# Altium PCB 主板.PcbDoc (part 1 of 2) (continued)
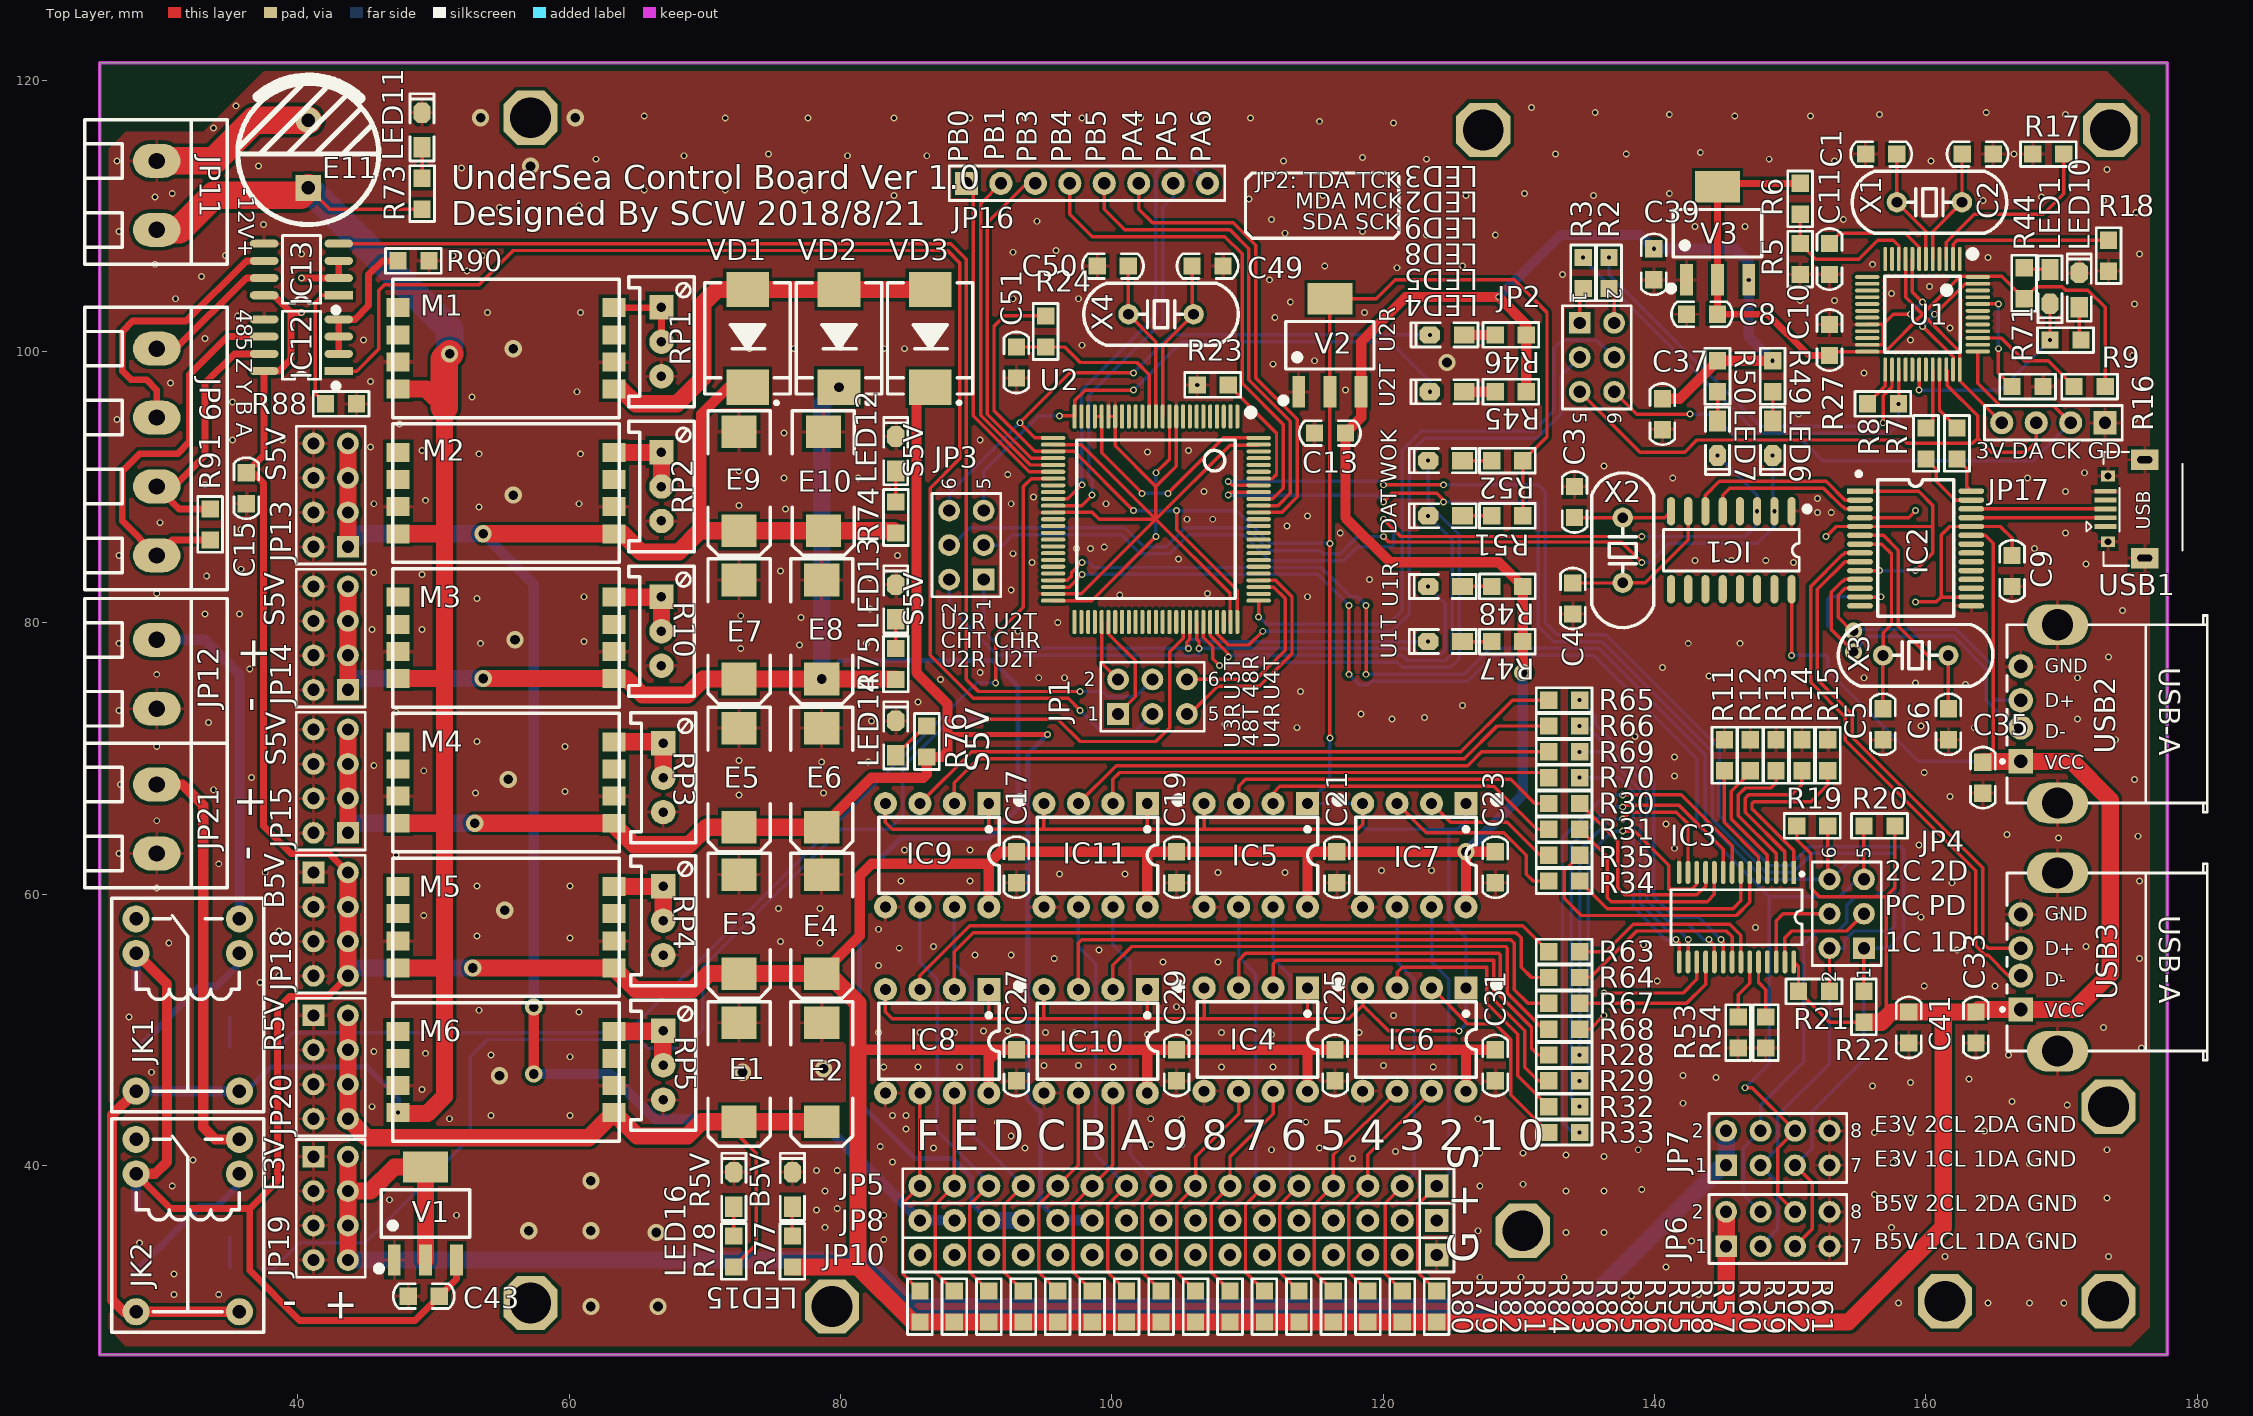
[diagram p0: Top Layer view]
## Footprints (in the part's own frame and the unit in brackets; to place one, negate y for a bottom-side part, rotate by r counter-clockwise, add the part's x,y. Pads: shape width x height; smd on the part's side, far side on the other; paste and mask are expansions set on the pad) (continued)
KF128-5.08-4P [mm] "ÂÝ¶¤Ê"
  oval 2.5x3.5 hole 1.2: 1(0,0) 2(5.08,0) 3(10.16,0) 4(15.24,0)
  silkscreen extent -3.05,-5.31 17.78,5.21, body extent -3.04,-5.3 17.78,5.2, height 14.15
"L 0805" [mil]
  rect 40x55 smd: 1(-45,0) 2(45,0)
  silkscreen extent -75,-35 75,35, body extent -39,-24 39,24, height 35
"LED 0805G" [mil] "绿色08"
  rect 60x50 smd: 1(-50,0)
  oct 60x50 smd: 2(50,0)
  silkscreen extent -90,-35 105,35, body extent -39,-25 39,25, height 32
"LQFP48 7X7_N" [mm] "48脚，体宽7x7"
  oval 0.279x1.8 smd: 1(-2.75,-4.075) 2(-2.25,-4.075) 3(-1.75,-4.075) 4(-1.25,-4.075) 5(-0.75,-4.075) 6(-0.25,-4.075) 7(0.25,-4.075) 8(0.75,-4.075) 9(1.25,-4.075) 10(1.75,-4.075) 11(2.25,-4.075) 12(2.75,-4.075) 25(2.75,4.075) 26(2.25,4.075) 27(1.75,4.075) 28(1.25,4.075) 29(0.75,4.075) 30(0.25,4.075) 31(-0.25,4.075) 32(-0.75,4.075) 33(-1.25,4.075) 34(-1.75,4.075) 35(-2.25,4.075) 36(-2.75,4.075)
  oval 1.8x0.279 smd: 13(4.075,-2.75) 14(4.075,-2.25) 15(4.075,-1.75) 16(4.075,-1.25) 17(4.075,-0.75) 18(4.075,-0.25) 19(4.075,0.25) 20(4.075,0.75) 21(4.075,1.25) 22(4.075,1.75) 23(4.075,2.25) 24(4.075,2.75) 37(-4.075,2.75) 38(-4.075,2.25) 39(-4.075,1.75) 40(-4.075,1.25) 41(-4.075,0.75) 42(-4.075,0.25) 43(-4.075,-0.25) 44(-4.075,-0.75) 45(-4.075,-1.25) 46(-4.075,-1.75) 47(-4.075,-2.25) 48(-4.075,-2.75)
  silkscreen extent -3.93,-4.69 2.79,2.79, body extent -4.5,-4.5 4.5,4.5, height 1.45
"LQFP100 14X14_N" [mm] "100½Å£¬Ìå¿"
  oval 0.3x1.8 smd: 1(-6,-7.575) 2(-5.5,-7.575) 3(-5,-7.575) 4(-4.5,-7.575) 5(-4,-7.575) 6(-3.5,-7.575) 7(-3,-7.575) 8(-2.5,-7.575) 9(-2,-7.575) 10(-1.5,-7.575) 11(-1,-7.575) 12(-0.5,-7.575) 13(0,-7.575) 14(0.5,-7.575) 15(1,-7.575) 16(1.5,-7.575) 17(2,-7.575) 18(2.5,-7.575) 19(3,-7.575) 20(3.5,-7.575) 21(4,-7.575) 22(4.5,-7.575) 23(5,-7.575) 24(5.5,-7.575) 25(6,-7.575) 51(6,7.575) 52(5.5,7.575) 53(5,7.575) 54(4.5,7.575) 55(4,7.575) 56(3.5,7.575) 57(3,7.575) 58(2.5,7.575) 59(2,7.575) 60(1.5,7.575) 61(1,7.575) 62(0.5,7.575) 63(0,7.575) 64(-0.5,7.575) 65(-1,7.575) 66(-1.5,7.575) 67(-2,7.575) 68(-2.5,7.575) 69(-3,7.575) 70(-3.5,7.575) 71(-4,7.575) 72(-4.5,7.575) 73(-5,7.575) 74(-5.5,7.575) 75(-6,7.575)
  oval 1.8x0.3 smd: 26(7.576,-6) 27(7.576,-5.5) 28(7.576,-5) 29(7.576,-4.5) 30(7.576,-4) 31(7.576,-3.5) 32(7.576,-3) 33(7.576,-2.5) 34(7.576,-2) 35(7.576,-1.5) 36(7.576,-1) 37(7.576,-0.5) 38(7.576,0) 39(7.576,0.5) 40(7.576,1) 41(7.576,1.5) 42(7.576,2) 43(7.576,2.5) 44(7.576,3) 45(7.576,3.5) 46(7.576,4) 47(7.576,4.5) 48(7.576,5) 49(7.576,5.5) 50(7.576,6) 76(-7.575,6) 77(-7.575,5.5) 78(-7.575,5) 79(-7.575,4.5) 80(-7.575,4) 81(-7.575,3.5) 82(-7.575,3) 83(-7.575,2.5) 84(-7.575,2) 85(-7.575,1.5) 86(-7.575,1) 87(-7.575,0.5) 88(-7.575,0) 89(-7.575,-0.5) 90(-7.575,-1) 91(-7.575,-1.5) 92(-7.575,-2) 93(-7.575,-2.5) 94(-7.575,-3) 95(-7.575,-3.5) 96(-7.575,-4) 97(-7.575,-4.5) 98(-7.575,-5) 99(-7.575,-5.5) 100(-7.575,-6)
  silkscreen extent -7.23,-8.12 5.84,5.84, body extent -8,-8 8,8, height 1.45
"R 0805" [mil]
  rect 50x50 smd: 1(-45,0) 2(45,0)
  silkscreen extent -81,-36 81,36, body extent -39,-25 39,25, height 20
SMA [mm] "4.5x2."
  rect 2.2x1.75 smd: 1(-2.3,0) 2(2.3,0)
  silkscreen extent -2.7,-1.52 3.56,1.52, body extent -2.53,-1.3 2.57,1.3, height 2.15
SMC [mm] "7.1x5"
  rect 2.6x3.15 smd: 1(-3.6,0) 2(3.6,0)
  silkscreen extent -4.1,-3.15 4.87,3.15, body extent -3.95,-2.9 3.95,2.9, height 2.45
SOP8_M [mm] "5*6*1.8mm"
  rect 2.1x0.6 smd: 1(-2.75,1.905)
  oval 2.1x0.6 smd: 2(-2.75,0.635) 3(-2.75,-0.635) 4(-2.75,-1.905) 5(2.75,-1.905) 6(2.75,-0.635) 7(2.75,0.635) 8(2.75,1.905)
  silkscreen extent -2.69,-2.5 1.4,3.15, body extent -3,-2.5 3,2.5, height 1.9
SOP16_M [mm] "10.3*6.2*1.8m"
  oval 2.1x0.6 smd: 1(-2.875,4.445) 2(-2.875,3.175) 3(-2.875,1.905) 4(-2.875,0.635) 5(-2.875,-0.635) 6(-2.875,-1.905) 7(-2.875,-3.175) 8(-2.875,-4.445) 9(2.875,-4.445) 10(2.875,-3.175) 11(2.875,-1.905) 12(2.875,-0.635) 13(2.875,0.635) 14(2.875,1.905) 15(2.875,3.175) 16(2.875,4.445)
  silkscreen extent -3.2,-5 1.52,5.74, body extent -3,-5 3,5, height 1.9
SOT23-3N [mm] "3x1.3"
  rect 0.5x1.2 smd: 1(-0.95,-1.143) 2(0.95,-1.143) 3(0,1.143)
  silkscreen extent -1.73,-1.78 1.5,0.7, body extent -1.5,-1.2 1.5,1.2, height 1.05
SOT223_M [mm] "6.4x7x1"
  rect 0.95x2.3 smd: 1(-2.3,-3.429) 2(0,-3.429) 3(2.3,-3.429)
  rect 3.3x2.3 smd: 2(0,3.429)
  silkscreen extent -3.63,-4.26 3.25,1.75, body extent -3.25,-3.51 3.25,3.51, height 1.65
SSOP28_M [mm] "10.2*7.8*1.9mm(³¤¿"
  rect 1.9x0.4 smd: 1(-4.1,4.225)
  oval 1.9x0.4 smd: 2(-4.1,3.575) 3(-4.1,2.925) 4(-4.1,2.275) 5(-4.1,1.625) 6(-4.1,0.975) 7(-4.1,0.325) 8(-4.1,-0.325) 9(-4.1,-0.975) 10(-4.1,-1.625) 11(-4.1,-2.275) 12(-4.1,-2.925) 13(-4.1,-3.575) 14(-4.1,-4.225) 15(4.1,-4.225) 16(4.1,-3.575) 17(4.1,-2.925) 18(4.1,-2.275) 19(4.1,-1.625) 20(4.1,-0.975) 21(4.1,-0.325) 22(4.1,0.325) 23(4.1,0.975) 24(4.1,1.625) 25(4.1,2.275) 26(4.1,2.925) 27(4.1,3.575) 28(4.1,4.225)
  silkscreen extent -4.33,-5 2.8,5.63, body extent -3.85,-5.1 3.85,5.1, height 1.65
TSSOP28_M [mm] "9.8*6.4*1mm（长"
  rect 1.7x0.35 smd: 1(-3.3,4.225)
  oval 1.7x0.35 smd: 2(-3.3,3.575) 3(-3.3,2.925) 4(-3.3,2.275) 5(-3.3,1.625) 6(-3.3,0.975) 7(-3.3,0.325) 8(-3.3,-0.325) 9(-3.3,-0.975) 10(-3.3,-1.625) 11(-3.3,-2.275) 12(-3.3,-2.925) 13(-3.3,-3.575) 14(-3.3,-4.225) 15(3.3,-4.225) 16(3.3,-3.575) 17(3.3,-2.925) 18(3.3,-2.275) 19(3.3,-1.625) 20(3.3,-0.975) 21(3.3,-0.325) 22(3.3,0.325) 23(3.3,0.975) 24(3.3,1.625) 25(3.3,2.275) 26(3.3,2.925) 27(3.3,3.575) 28(3.3,4.225)
  silkscreen extent -3.3,-4.83 2.03,4.96, body extent -3.2,-4.9 3.2,4.9, height 1.03
USB-A/S_A [mm]
  rect 1.8x1.8 hole 1: 1(0,-3.5)
  round 1.8 hole 1: 2(0,-1) 3(0,1) 4(0,3.5)
  oval 4.5x3 hole 2.3: 4(2.71,-6.57) 4(2.71,6.57)
  silkscreen extent -1.47,-7.25 13.75,7.25, body extent -0.6,-7.34 13.7,7.34, height 6.8
USB-MICRO_B [mm] "microÐÍUSB £"
  rect 0.35x1.6 smd: 1(-1.3,2.9) 2(-0.65,2.9) 3(0,2.9) 4(0.65,2.9) 5(1.3,2.9)
  rect 1.5x2 hole 0.5 slot 1.1 at 90 deg: 5(-3.625,0) 5(3.625,0)
  rect 0.8x1 hole 0.5: 5(-2.425,2.71) 5(2.425,2.71)
  silkscreen extent -4.19,-2.79 4.19,4.3, body extent -4,-2.71 4,2.89, height 2.8
"XTAL-49S DIP" [mm]
  round 1.5 hole 0.8: 1(-2.4,0) 2(2.4,0)
  silkscreen extent -5.7,-2.28 5.7,2.28, body extent -5.68,-2.35 5.68,2.3, height 3.5

## Part data
C1 C2 C3 C4 C5 C6 C7 C8 C9 C10 C11 C12 C13 C15 C17 C19 C21 C23 C25 C27 C29 C31 C33 C35 C37 C39 C41 C43 C49 C50 C51: library part C, "无极性贴片电容"
E1 E2 E3 E4 E5 E6 E7 E8 E9 E10: library part C-CD, "贴片钽电容"
E11: library part C-CS, "直插固态电容"
IC1: library part CH, "串口转USB"
IC2: library part GL850G, "4 Port USB HUB"
IC4 IC5 IC6 IC7 IC8 IC9 IC10 IC11: "高速光电耦合器 10Mbit/s"
IC12 IC13: "485通信芯片"
JK1 JK2: library part HK4100F, "单路双控继电器"
JP1 JP2 JP3 JP4: library part Heade, "3*2P接插件"
JP5 JP8 JP10: library part "Header 16", "16P接插件"
JP6 JP7 JP13 JP14 JP15 JP18 JP19 JP20: "4*2P接插件"
JP9 JP17: library part "Header 4", "4P接插件"
JP11 JP12 JP21: library part "Header 2", "2P接插件"
JP16: library part "Header 8", "8P接插件"
L1: library part L, "小功率贴片电感"
LED1 LED2 LED3 LED4 LED5 LED6 LED7 LED8 LED9 LED10 LED11 LED12 LED13 LED14 LED15 LED16: library part LED-SMD, "贴片LED"
M1 M2 M3 M4 M5 M6: "DC-DC POWER CONVERTOR 12V-TO-5"
Q1 Q2: library part 8050-SMD, "高频放大-NPN型"
R1 R2 R3 R4 R5 R6 R7 R8 R9 R11 R12 R13 R14 R15 R16 R17 R18 R19 R20 R21 R22 R23 R24 R27 R28 R29 R30 R31 R32 R33 R34 R35 R44 R45 R46 R47 R48 R49 R50 R51 R52 R53 R54 R55 R56 R57 R58 R59 R60 R61 R62 R63 R64 R65 R66 R67 R68 R69 R70 R71 R72 R73 R74 R75 R76 R77 R78 R79 R80 R81 R82 R83 R84 R85 R86 R87 R88 R89 R90 R91: library part R, "贴片电阻"
R10 RP1 RP2 RP3 RP4 RP5: library part RP-ID, "插件单联电位器"
U1: library part STM32, "Flaah:64/RAM:20/IO:36"
U2: "32位STM单片机100引脚"
USB1: "微型USB母座"
USB2 USB3: library part USB-A/S, "USB-A型母接口"
V1 V2 V3: library part AMS1117, "三端稳压芯片"
VD1 VD2 VD3: "肖特基二极管"
VD4 VD5: "整流二极管"
X1 X2 X3 X4: library part XTAL-2

## Free pads (board coordinates)
  oct 4x4 hole 3: 0(79.375,29.591) 1(57.15,117.221) 2(130.302,35.179) 3(127.381,116.332) 4(173.609,116.332) 5(173.482,29.972) 6(173.482,44.323) 7(161.417,29.972) 8(57.15,29.845)

## Via types
v1: diameter 0.508, hole 0.3, Top Layer to Bottom Layer, 546 vias
v2: diameter 1.27, hole 0.711, Top Layer to Bottom Layer, 31 vias

## Nets (pads, with @x,y where several pads share a name; then routed paths per layer and width w, separated by ;. In a path a pad name is that pad's centre, name@x,y a point inside that pad or via, vN(x,y) a via of type N, cw(c..) or ccw(c..) an arc to the next point about the centre after c; other vN are vias at no path point)
5V: 
485_A: IC12.6 JP9.4 R91.1 | length 29.1
  Top Layer w0.508: R91.1@33.528,86.106 30.734,86.106 JP9.4@29.591,84.963 27.051,87.503 27.051,91.186 28.321,92.456 31.115,92.456 32.004,93.345 32.004,98.298 34.798,101.092 IC12.6@37.509,101.092
485_B: IC12.7 JP9.3 R91.2 | length 19.7
  Top Layer w0.508: R91.2@33.528,88.392 31.242,88.392 JP9.3@29.591,90.043 30.861,90.043 33.147,92.329 33.147,97.663 35.306,99.822 IC12.7@37.509,99.822
485_RXD: IC13.4 JP1.4 | length 92.5
  Top Layer w0.254: IC13.4@43.009,107.95 88.138,107.95 89.281,106.807 89.281,75.819 90.17,74.93 v1(97.663,74.93)
  Bottom Layer w0.254: v1(97.663,74.93) 99.314,74.93 99.695,74.549 101.727,74.549 JP1.4@102.997,75.819
485_TXD: IC12.1 JP1.3 | length 101.4
  Top Layer w0.254: IC12.1@43.009,98.552 44.323,98.552 45.974,100.203 45.974,104.521 46.355,104.902 53.34,104.902 55.88,107.442 87.884,107.442 88.773,106.553 88.773,92.075 86.614,89.916 86.614,77.597 89.789,74.422 96.774,74.422 v1(97.663,73.533)
  Bottom Layer w0.254: v1(97.663,73.533) 99.187,72.009 101.727,72.009 JP1.3@102.997,73.279
485_Y: IC13.6 JP9.2 | length 20.7
  Top Layer w0.508: JP9.2@29.591,95.123 29.591,97.155 28.829,97.917 27.686,97.917 27.051,98.552 27.051,101.473 27.813,102.235 31.75,102.235 36.195,106.68 IC13.6@37.509,106.68
485_Z: IC13.7 JP9.1 | length 10.1
  Top Layer w0.508: JP9.1@29.591,100.203 30.988,100.203 36.195,105.41 IC13.7@37.509,105.41
AVDD: C12.2 IC2.1 IC2.5 IC2.10 L1.2 | length 23.4
  Top Layer w0.254: v1(152.654,86.36) 153.39,87.096 IC2.5@155.158,87.096 160.502,87.096 ; IC2.10@155.158,83.846 v1(156.591,83.846) ; IC2.1@155.158,89.696 159.478,89.696 160.528,88.646 160.528,85.142 v1(159.232,83.846)
  Bottom Layer w0.254: v1(156.591,83.846) v1(159.232,83.846)
BACKUP_5V: M1.8 VD1.1 VD2.1 VD3.1 | length 30.5
  Top Layer w1.27: M1.8@63.29,97.223 63.813,97.223 64.897,96.139 67.945,96.139 69.85,98.044 69.85,103.505 70.91,104.565 VD1.1@73.152,104.565 VD2.1@79.883,104.565 VD3.1@86.614,104.565
BOARD_5V: C13.2 C15.2 C17.2 C19.2 C21.2 C23.2 C25.2 C27.2 C29.2 C31.2 C33.2 C35.2 C37.2 C39.2 C41.2 C43.2 E3.1 E4.1 IC1.16 IC2.23 IC3.28 IC4.8 IC5.8 IC6.8 IC7.8 IC8.8 IC9.8 IC10.8 IC11.8 IC12.8 IC13.8 JK1.2 JK2.2 JP6.1 JP6.2 JP18.2 JP18.4 JP18.6 JP18.8 M5.8 R4.1 R19.2 R20.2 R21.2 R22.2 R45.2 R46.2 R47.2 R48.2 R49.2 R50.2 R55.1 R56.1 R57.1 R58.1 R59.1 R60.1 R61.1 R62.1 R77.2 R79.1 R80.1 R81.1 R82.1 R83.1 R84.1 R85.1 R86.1 R89.1 USB2.1 USB3.1 V1.3 V2.3 V3.3 VD4.2 VD5.2 | length 668.8
  Top Layer w0.254: v1(150.114,77.597) IC1.16@150.114,82.469 ; IC3.28@150.275,54.993 150.622,54.646 R21.2@150.622,52.832 152.908,50.546 R22.2@155.448,50.546 ; R19.2@150.495,65.024 150.495,64.008 151.511,62.992 151.511,60.452 152.146,59.817 157.099,59.817 ; 157.099,51.689 157.099,59.817 ; R20.2@157.734,65.024 157.734,60.452 157.099,59.817 ; IC2.23@163.358,86.446 164.379,86.446 164.973,85.852 164.973,70.485 C35.2@164.267,69.779
  Top Layer w0.508: JK2.2@28.067,39.37 30.607,36.83 36.449,36.83 ; IC13.8@37.509,104.14 38.227,104.14 39.497,102.87 ; v1(40.259,102.87) 39.497,102.87 ; JP18.8@43.688,53.975 42.164,52.451 39.37,52.451 38.481,51.562 38.481,38.862 36.449,36.83 ; JP18.2@43.688,61.595 42.291,62.992 39.497,62.992 37.465,65.024 37.465,90.297 36.703,91.059 C15.2@36.195,91.059 37.509,92.373 IC12.8@37.509,98.552 38.608,98.552 39.497,99.441 39.497,102.87 ; V1.3@51.703,33.02 51.703,31.637 C43.2@50.419,30.353 48.641,28.575 40.132,28.575 36.449,32.258 36.449,36.83
  Top Layer w0.762: JK2.2@28.067,39.37 29.464,39.37 30.353,40.259 30.353,53.34 JK1.2@28.067,55.626 ; E4.1@78.613,54.135 81.407,56.929 81.407,61.341 82.296,62.23 90.932,62.23 ; 81.407,48.514 91.694,48.514 ; IC8.8@90.932,45.339 90.932,47.752 ; 90.932,48.387 90.932,47.752 ; IC9.8@90.932,59.055 90.932,62.23 ; IC10.8@102.616,45.339 102.616,48.514 ; IC11.8@102.616,59.055 102.616,63.119 ; IC4.8@114.427,45.466 114.427,48.387 ; IC5.8@114.427,59.055 114.427,62.992 ; IC6.8@126.111,45.466 126.111,48.514 ; IC7.8@126.111,59.055 v2(126.111,63.119) ; C31.2@128.27,48.514 126.111,48.514 ; C23.2@128.27,63.119 v2(126.111,63.119) ; v2(130.302,76.327) R47.2@130.302,78.613 R48.2@130.302,82.677 128.524,84.455 120.523,84.455 117.221,87.757 C13.2@117.221,93.98 118.378,95.137 V2.3@118.378,97.028 118.378,100.725 121.666,104.013 v1(128.524,104.013) 130.556,101.981 R46.2@130.556,101.219 R45.2@130.556,97.028 ; C37.2@140.589,96.52 141.859,96.52 R50.2@144.653,99.314 v1(148.717,99.314) ; 90.932,47.752 91.694,48.514 ; 90.932,62.23 91.821,63.119 C17.2@92.964,63.119 102.616,63.119 ; 91.694,48.514 C27.2@92.964,48.514 102.616,48.514 ; 102.616,48.514 C29.2@104.775,48.514 C25.2@116.459,48.514 126.111,48.514 ; 102.616,63.119 C19.2@104.775,63.119 C21.2@116.586,63.119 v2(126.111,63.119)
  Top Layer w1.27: JP18.8@43.688,53.975 JP18.6@43.688,56.515 JP18.4@43.688,59.055 JP18.2@43.688,61.595 ; v2(52.891,54.551) M5.8@63.29,54.551 64.882,52.959 69.088,52.959 70.264,54.135 E3.1@72.517,54.135 E4.1@78.613,54.135 79.088,54.135 81.28,51.943 81.28,32.512 ; R77.2@76.454,32.512 81.28,32.512 ; 145.288,28.702 JP6.1@145.288,34.036 JP6.2@145.288,36.576 ; R22.2@155.448,50.546 156.718,50.546 157.48,51.308 C41.2@158.75,51.308 161.29,51.308 ; C33.2@163.703,51.308 161.29,51.308 ; C33.2@163.886,51.491 USB3.1@167.005,51.491 170.998,51.491 173.609,54.102 173.609,66.929 170.759,69.779 USB2.1@167.005,69.779 C35.2@164.267,69.779 ; 81.28,32.512 85.344,28.448 R80.1@85.852,28.448 R79.1@88.392,28.448 R82.1@90.932,28.448 R81.1@93.472,28.448 R84.1@96.012,28.448 R83.1@98.552,28.448 R86.1@101.092,28.448 R85.1@103.632,28.448 R56.1@106.172,28.448 R55.1@108.712,28.448 R58.1@111.252,28.448 R57.1@113.792,28.448 R60.1@116.332,28.448 R59.1@118.872,28.448 R62.1@121.412,28.448 R61.1@123.952,28.448 154.305,28.448 161.29,35.433 161.29,51.308
  Bottom Layer w0.254: v1(150.114,77.597) R4.1@152.654,77.597 ; R4.1@152.781,77.47 152.781,76.454 159.456,69.779 USB2.1@167.005,69.779
  Bottom Layer w0.762: VD5.2@28.067,36.844 JK2.2@28.067,39.37 ; VD4.2@28.067,53.1 JK1.2@28.067,55.626 ; v2(126.111,63.119) 130.302,67.31 v2(130.302,76.327) ; v1(128.524,104.013) 133.096,108.585 138.938,108.585 v1(139.954,107.569) 145.923,107.569 146.953,106.539 v1(146.953,105.283) 146.953,101.078 v1(148.717,99.314)
  Bottom Layer w1.27: JP18.8@43.688,53.975 44.264,54.551 v2(52.891,54.551)
CH_RXD: IC1.3 JP3.3 LED7.2 | length 70
  Top Layer w0.254: v1(120.015,87.63) 121.285,86.36 v1(139.065,86.36)
  Bottom Layer w0.254: JP3.3@90.551,85.725 91.948,85.725 92.71,86.487 100.711,86.487 102.108,85.09 104.267,85.09 105.664,86.487 109.728,86.487 111.633,84.582 117.094,84.582 118.11,85.598 120.625,85.598 120.777,85.75 120.777,86.995 120.142,87.63 v1(120.015,87.63) ; v1(139.065,86.36) 146.685,86.36 147.574,87.249 v1(147.574,88.219) 147.574,89.408 v1(144.653,92.329)
CH_TXD: IC1.2 JP3.4 LED6.2 | length 70.8
  Top Layer w0.254: v1(120.015,86.36) 120.421,85.954 137.566,85.954 v1(139.065,84.455)
  Bottom Layer w0.254: JP3.4@88.011,85.725 88.265,85.725 89.535,86.995 100.965,86.995 102.362,85.598 104.013,85.598 105.41,86.995 109.915,86.995 111.592,85.319 115.341,85.319 115.57,85.09 116.84,85.09 118.11,86.36 v1(120.015,86.36) ; v1(139.065,84.455) 139.7,84.455 141.097,85.852 147.574,85.852 148.844,87.122 v1(148.844,88.219) ; v1@148.717,88.346 v1(148.717,92.329)
DATA_LED: LED8.2 U2.71 | length 31
  Top Layer w0.254: U2.71@107.251,80.055 107.251,79.058 108.585,77.724 v1(108.585,77.47)
  Bottom Layer w0.254: v1(108.585,77.47) 108.712,77.597 121.412,77.597 121.793,77.216 124.587,77.216 125.095,77.724 125.095,86.106 v1(123.317,87.884)
DVDD: C9.2 IC2.16 IC2.24 L1.1 | length 15.9
  Top Layer w0.254: v1(159.258,81.534) 160.782,81.534 161.144,81.896 ; IC2.16@163.358,81.896 161.144,81.896 ; C9.2@166.37,84.963 166.37,86.233 165.507,87.096 IC2.24@163.358,87.096 161.772,87.096 161.144,86.468 161.144,81.896
EXT_3V: JP7.1 JP7.2 JP19.2 JP19.4 JP19.6 JP19.8 V1.2 | length 130.7
  Top Layer w1.27: JP19.8@43.688,33.02 JP19.6@43.688,35.56 JP19.4@43.688,38.1 ; JP19.2@43.688,40.64 JP19.4@43.688,38.1 ; V1.2@49.403,33.02 V1.2@49.403,39.878 47.117,39.878 45.339,38.1 JP19.4@43.688,38.1
  Bottom Layer w1.27: JP19.8@43.688,33.02 81.788,33.02 85.217,29.591 134.62,29.591 145.288,40.259 JP7.2@145.288,42.545
GND: C1.1 C2.1 C3.1 C4.1 C5.1 C6.1 C7.1 C8.1 C9.1 C10.1 C11.1 C12.1 C13.1 C15.1 C17.1 C19.1 C21.1 C23.1 C25.1 C27.1 C29.1 C31.1 C33.1 C35.1 C37.1 C39.1 C41.1 C43.1 C49.1 C50.1 C51.1 E1.2 E2.2 E3.2 E4.2 E5.2 E6.2 E7.2 E8.2 E9.2 E10.2 E11.2 IC1.1 IC2.15 IC3.14 IC4.5 IC5.5 IC6.5 IC7.5 IC8.5 IC9.5 IC10.5 IC11.5 IC12.5 IC13.5 JP6.7 JP6.8 JP7.7 JP7.8 JP10.1 JP10.2 JP10.3 JP10.4 JP10.5 JP10.6 JP10.7 JP10.8 JP10.9 JP10.10 JP10.11 JP10.12 JP10.13 JP10.14 JP10.15 JP10.16 JP11.1 JP12.2 JP13.2 JP13.4 JP13.6 JP13.8 JP14.2 JP14.4 JP14.6 JP14.8 JP15.2 JP15.4 JP15.6 JP15.8 JP17.1 JP18.1 JP18.3 JP18.5 JP18.7 JP19.1 JP19.3 JP19.5 JP19.7 JP20.1 JP20.3 JP20.5 JP20.7 JP21.2 LED10.2 LED11.2 LED12.2 LED13.2 LED14.2 LED15.2 LED16.2 M1.2 M1.7 M2.2 M2.7 M3.2 M3.7 M4.2 M4.7 M5.2 M5.7 M6.2 M6.7 Q1.2 Q2.2 R1.1 R5.1 R9.1 R10.3 R11.1 R12.1 R13.1 R14.1 R15.1 R17.2 R18.2 R23.2 R53.2 R54.2 R88.2 R90.1 RP1.3 RP2.3 RP3.3 RP4.3 RP5.3 U1.8 U1.20 U1.23 U1.35 U1.47 U2.10 U2.19 U2.20 U2.27 U2.37 U2.49 U2.74 U2.99 USB1.5 USB2.4 USB3.4 V1.1 V2.1 V3.1 | length 97.6
  Top Layer w0.254: U2.49@95.675,82.13 97.751,82.13 103.251,87.63 ; U2.37@95.675,88.13 98.56,88.13 99.06,87.63 103.251,87.63 ; U2.27@95.675,93.13 97.751,93.13 103.251,87.63 ; U2.20@99.751,95.205 U2.19@100.251,95.205 100.251,93.043 103.251,90.043 ; U2.10@104.751,95.205 104.751,91.543 103.251,90.043 ; U2.74@108.751,80.055 108.712,80.093 108.712,82.169 103.251,87.63 ; U2.99@110.826,93.13 110.787,93.091 108.712,93.091 103.251,87.63 ; U1.23@155.691,100.493 156.754,100.493 156.87,100.609 156.87,101.68 156.857,101.693 156.857,101.993 ; U1.20@155.691,101.993 156.857,101.993 ; v1(158.877,102.743) 157.607,102.743 156.857,101.993 ; U1.8@159.016,106.818 159.016,104.382 v1(159.766,103.632) ; v1(159.766,101.854) 162.016,99.604 U1.35@162.016,98.668 ; v1(160.655,102.743) 162.905,104.993 U1.47@163.841,104.993 ; 103.251,87.63 103.251,90.043
  Top Layer w2.032: JP11.1@29.591,114.046 33.782,114.046 36.79,117.054 E11.2@40.767,117.054
  Bottom Layer w0.254: v1(158.877,102.743) v1(159.766,103.632) v1(160.655,102.743) v1(159.766,101.854) v1(158.877,102.743)
  other v1: 157.988,29.845 164.592,29.845 167.64,29.845 170.18,29.845 138.303,30.353 30.861,30.48 34.163,30.48 143.256,30.48 148.463,30.734 152.781,30.734 127.127,31.75 130.175,31.75 133.35,31.75 30.861,32.004 140.843,32.512 161.417,33.274 173.482,33.274 28.321,34.29 142.748,34.417 83.185,34.544 167.64,34.798 133.477,35.052 136.271,35.052 127,35.179 78.867,35.433 157.48,35.433 51.689,36.322 83.185,36.322 78.232,36.703 79.756,36.83 46.736,37.465 158.877,37.592 164.338,37.592 170.815,37.592 173.355,37.592 156.21,37.846 78.867,38.1 133.477,38.1 136.271,38.1 139.065,38.227 30.734,38.481 127.127,38.481 130.302,38.608 78.232,39.624 79.756,39.624 167.64,40.132 83.82,40.259 157.607,40.259 32.258,40.386 117.729,40.513 136.271,40.64 133.477,40.767 127.127,40.894 130.302,40.894 120.904,41.021 111.76,41.148 138.811,41.148 173.355,41.148 86.868,41.275 93.599,41.275 115.316,41.275 82.931,41.402 102.87,41.529 105.156,41.529 92.583,42.164 156.21,42.418 158.877,42.418 164.338,42.545 84.836,42.672 91.567,43.18 114.3,43.18 51.181,43.434 102.87,43.434 105.156,43.434 127,43.434 54.229,43.688 60.071,43.688 83.82,43.688 84.836,43.688 45.466,44.323 170.434,44.45 142.113,44.577 166.37,44.704 49.149,45.593 156.083,45.847 158.877,46.101 163.195,46.355 144.526,46.482 142.113,46.609 29.21,46.863 83.185,47.244 85.725,47.244 88.773,47.244 100.076,47.244 108.077,47.244 111.887,47.244 123.698,47.244 94.996,47.371 97.536,47.371 120.015,47.371 60.071,48.006 54.229,48.133 166.116,48.133 49.403,48.26 45.593,48.387 175.895,48.641 102.616,49.657 111.76,49.657 82.804,49.784 85.852,49.784 88.392,49.784 95.123,49.784 97.282,49.784 100.076,49.784 105.664,49.784 108.077,49.784 118.237,49.784 90.551,49.911 92.329,49.911 173.101,50.165 27.559,50.927 120.777,51.054 60.706,51.308 53.34,51.435 104.775,51.689 116.586,53.086 159.893,53.213 165.1,53.213 37.211,53.467 140.208,53.594 169.799,53.848 38.608,53.975 82.804,54.737 103.759,54.991 107.823,54.991 95.758,55.245 175.768,55.245 89.916,55.499 92.583,55.499 99.06,55.88 162.306,55.88 84.328,56.007 86.868,56.134 171.831,56.134 139.192,56.261 30.48,56.388 78.486,56.388 75.565,56.515 60.071,56.769 53.213,56.896 38.608,57.277 82.804,57.404 147.447,57.531 159.639,58.293 49.276,58.42 169.799,58.42 75.438,58.928 78.486,58.928 29.591,60.452 53.213,60.579 60.071,60.579 161.925,60.833 84.455,60.96 89.535,60.96 175.768,60.96 96.139,61.468 100.965,61.468 37.592,61.595 107.823,61.595 112.776,61.595 119.888,61.722 123.571,61.722 34.163,62.23 47.244,62.865 26.797,62.992 84.709,63.246 89.535,63.246 141.478,63.373 159.512,63.627 169.799,64.135 175.641,64.262 165.989,64.389 140.843,65.151 29.591,65.405 161.798,67.183 72.517,67.31 53.086,67.437 78.74,67.437 59.69,67.564 33.782,67.691 26.924,68.072 175.387,68.453 36.576,68.58 141.478,68.707 159.893,68.961 49.276,69.088 45.593,69.469 78.613,69.723 82.042,69.723 72.517,69.85 141.478,70.104 29.591,70.866 59.69,70.866 53.213,71.247 173.99,71.374 138.557,71.628 113.665,72.263 163.576,72.263 159.639,72.39 108.331,72.517 33.401,72.644 82.296,72.771 120.65,72.898 171.196,72.898 123.063,73.025 118.364,73.279 47.244,73.406 26.797,73.533 125.857,73.914 85.725,74.168 113.919,74.93 162.941,75.438 159.258,75.565 87.376,75.819 94.615,75.946 96.52,75.946 155.448,75.946 171.196,75.946 144.018,76.073 29.591,76.2 90.297,76.327 36.449,76.581 140.589,76.708 173.482,77.47 72.644,78.105 76.962,78.359 26.797,78.486 53.467,78.486 81.915,78.486 142.494,78.486 146.304,78.486 61.087,78.613 93.091,79.375 45.466,79.502 49.149,79.502 96.012,80.01 77.089,80.391 72.644,80.518 33.147,80.645 35.687,80.645 174.498,80.899 82.169,81.026 53.213,81.788 61.087,81.915 114.427,81.915 100.584,82.042 29.591,82.169 107.061,82.169 92.583,82.423 118.999,83.185 82.169,83.312 33.274,83.439 49.149,83.566 45.593,83.693 75.565,83.82 35.814,83.947 171.831,84.328 94.107,84.455 150.241,84.455 143.002,84.582 145.669,84.582 148.209,84.582 104.902,84.709 26.797,84.963 84.201,84.963 92.71,85.09 97.409,85.471 98.425,85.471 168.021,85.471 99.441,85.598 116.84,86.614 170.307,86.614 35.814,86.868 112.903,87.122 29.845,87.376 105.537,87.63 107.442,87.63 114.427,87.884 152.019,88.138 153.035,88.138 75.946,88.392 53.34,88.519 72.517,88.646 45.593,88.773 60.706,88.773 92.583,88.773 99.568,88.773 49.403,89.027 152.019,89.154 94.234,89.281 106.807,89.662 170.307,89.662 33.147,90.17 75.819,90.678 81.28,90.678 141.351,90.678 167.513,90.678 92.329,90.932 171.704,91.059 72.517,91.186 136.271,91.567 53.34,92.456 60.833,92.456 102.616,92.583 49.149,92.71 105.664,92.71 45.339,92.964 35.179,93.472 38.862,93.472 90.297,93.472 75.819,93.98 47.498,94.655 26.67,94.996 175.387,94.996 150.622,95.377 35.179,96.266 52.832,96.647 60.579,97.028 117.221,97.155 106.299,97.536 30.607,97.663 45.339,97.79 155.448,98.425 111.887,99.06 114.935,99.314 175.26,99.695 73.279,100.203 76.581,100.203 83.185,100.203 84.709,100.203 80.01,100.33 97.79,100.457 44.831,100.838 158.877,100.838 33.147,100.965 161.798,101.727 112.014,102.489 35.56,102.616 53.975,102.87 60.833,102.87 118.618,102.87 175.387,103.505 113.157,103.632 150.749,103.759 153.289,103.759 30.988,103.886 92.71,103.886 97.536,103.886 157.48,104.267 160.274,104.775 111.633,105.283 32.893,105.537 133.223,105.664 52.451,105.918 121.031,106.172 115.697,106.299 125.857,106.299 29.464,106.426 156.083,106.426 164.592,106.934 34.671,107.061 51.435,107.061 53.594,107.061 40.259,107.188 175.768,107.188 92.71,107.315 95.885,107.442 123.19,108.585 128.27,108.585 112.776,108.712 26.797,108.839 118.491,108.839 143.002,109.22 146.685,109.22 37.465,109.347 94.488,109.601 111.76,109.728 153.924,109.728 175.514,110.236 54.864,110.617 60.706,110.744 164.211,111.125 173.101,111.125 110.109,111.252 120.904,111.252 29.464,111.379 168.529,111.379 83.947,111.506 115.57,111.506 126.111,111.506 135.509,111.506 30.734,111.633 130.429,111.633 141.097,111.633 65.532,111.887 71.501,111.887 77.343,111.887 173.355,113.411 52.07,113.538 37.084,113.665 26.67,114.046 112.649,114.046 153.289,114.046 160.401,114.046 61.976,114.173 123.19,114.173 148.463,114.173 118.491,114.3 68.453,114.427 80.518,114.427 86.36,114.427 74.676,114.554 132.715,114.554 137.922,114.554 166.497,114.554 143.383,114.681 33.782,116.459 120.777,116.84 115.316,116.967 106.934,117.094 71.501,117.221 77.597,117.221 83.947,117.221 89.535,117.221 93.599,117.221 97.79,117.221 102.108,117.221 110.236,117.221 65.532,117.348 145.923,117.348 151.511,117.348 141.097,117.475 156.591,117.475 170.307,117.475 135.636,117.602 164.465,117.602 130.937,117.983 35.433,118.11
  other v2: 61.595,29.591 66.548,29.591 66.421,35.052 57.023,35.179 61.595,35.179 61.595,38.862 54.864,46.609 72.771,46.863 78.74,47.117 55.245,58.801 55.499,68.453 56.007,78.74 55.88,89.408 124.714,99.187 55.88,100.203 57.15,113.665 53.467,117.221 60.452,117.221
GPIO0: JP16.8 U2.35 | length 32.3
  Top Layer w0.254: U2.35@95.675,89.13 96.75,89.13 v1(97.79,90.17)
  Bottom Layer w0.254: v1(97.79,90.17) 97.79,97.155 103.251,102.616 103.251,113.157 103.759,113.665 105.791,113.665 JP16.8@107.061,112.395
GPIO1: JP16.7 U2.36 | length 28.9
  Top Layer w0.254: U2.36@95.675,88.63 97.774,88.63 v1(98.552,89.408)
  Bottom Layer w0.254: v1(98.552,89.408) 98.552,90.551 98.298,90.805 98.298,96.774 103.759,102.235 103.759,110.617 104.521,111.379 JP16.7@104.521,112.395
GPIO2: JP16.6 U2.89 | length 34.8
  Top Layer w0.254: JP16.6@101.981,112.395 101.981,110.49 102.997,109.474 108.966,109.474 110.617,107.823 110.617,98.044 113.665,94.996 113.665,89.281 112.514,88.13 U2.89@110.826,88.13
GPIO3: JP16.5 U2.90 | length 35.8
  Top Layer w0.254: JP16.5@99.441,112.395 99.441,110.49 100.965,108.966 108.712,108.966 110.109,107.569 110.109,97.917 113.157,94.869 113.157,89.535 112.252,88.63 U2.90@110.826,88.63
GPIO4: JP16.4 U2.91 | length 36.9
  Top Layer w0.254: JP16.4@96.901,112.395 96.901,110.109 98.552,108.458 108.331,108.458 109.601,107.188 109.601,97.663 112.649,94.615 112.649,89.916 111.863,89.13 U2.91@110.826,89.13
GPIO5: JP16.3 U2.29 | length 25.1
  Top Layer w0.254: JP16.3@94.361,112.395 93.726,112.395 90.805,109.474 90.805,95.383 94.058,92.13 U2.29@95.675,92.13
GPIO6: JP16.2 U2.30 | length 24.6
  Top Layer w0.254: JP16.2@91.821,112.395 90.322,110.896 90.322,95.291 93.984,91.63 U2.30@95.675,91.63
GPIO7: JP16.1 U2.31 | length 25
  Top Layer w0.254: JP16.1@89.281,112.395 JP16.1@89.916,111.76 ; JP16.1@89.789,111.76 89.789,95.25 93.909,91.13 U2.31@95.675,91.13